# KiCad board R-PCBA-VPEG-PWR.kicad_pcb (continued)
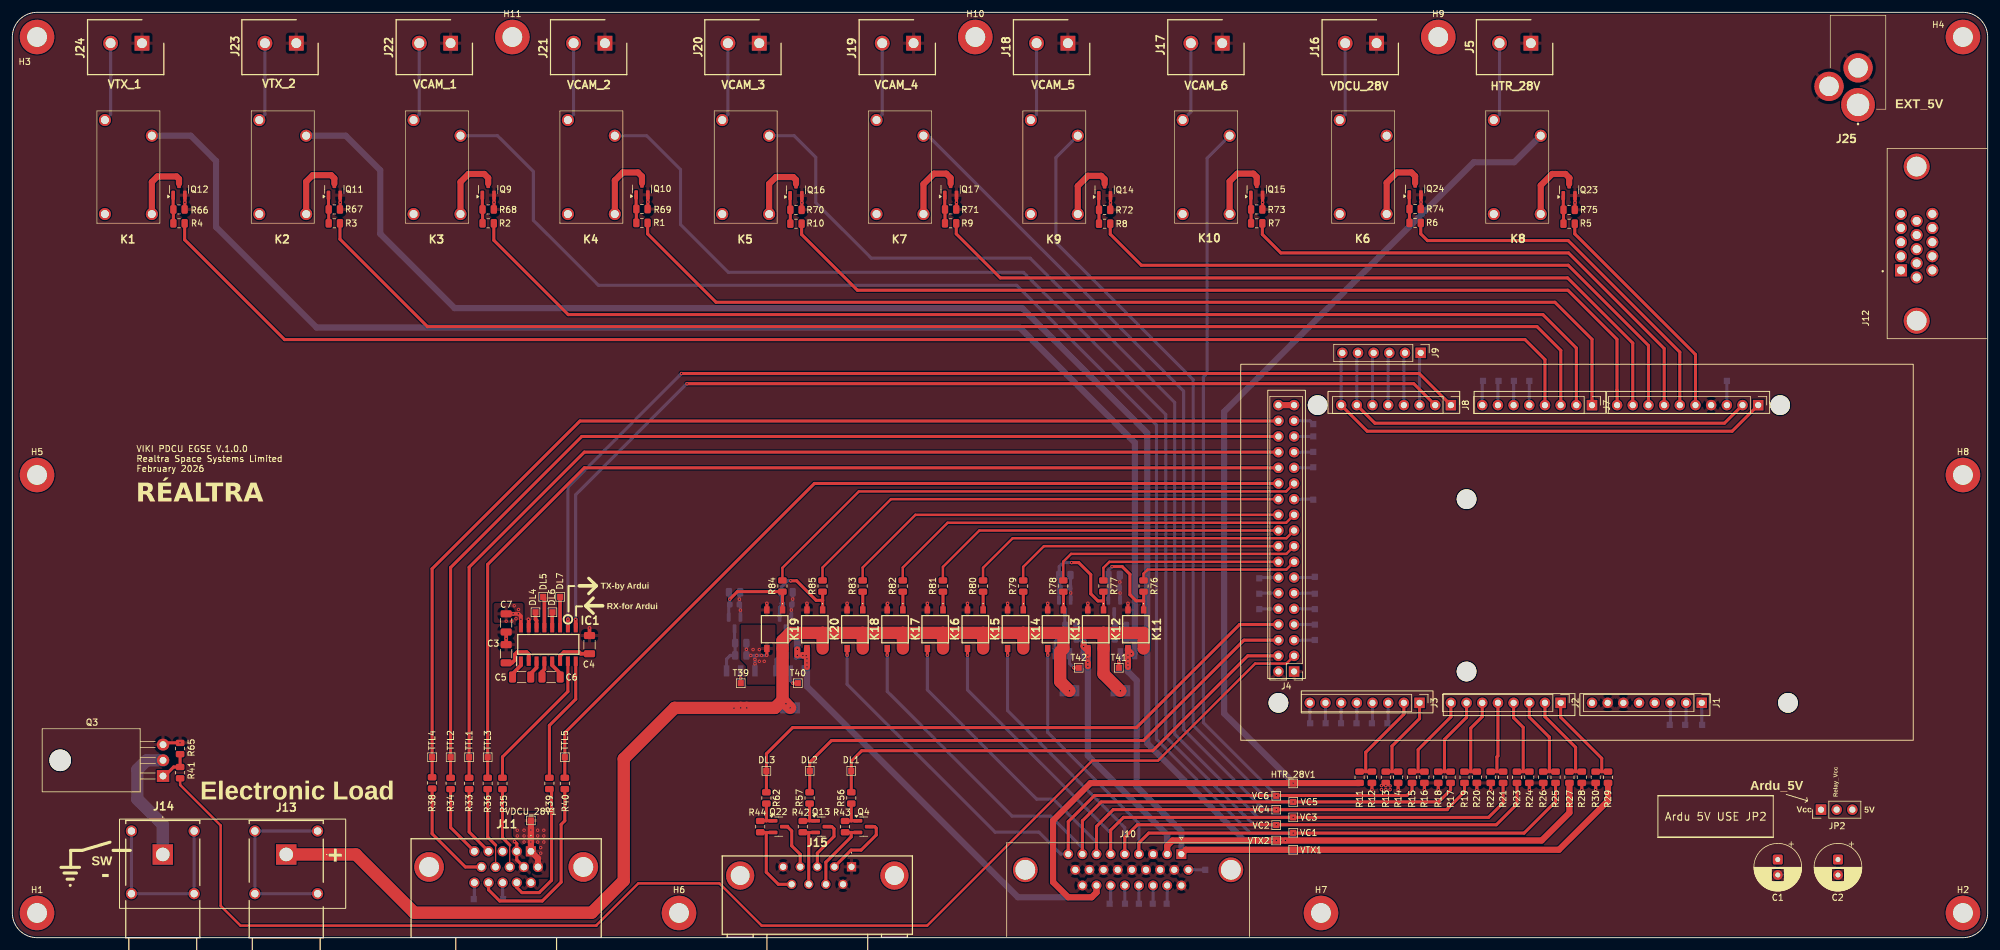
[diagram p0: board, top side]
## Library data of the parts (continued)
Q4 Q9-Q17 Q22-Q24 Q28 Q29 Q31 Q33 = -: Datasheet: https://www.infineon.com/dgdl/irlml2060pbf.pdf?fileId=5546d462533600a401535664b7fb25ee; Description: 1.2A Id, 60V Vds, 480mOhm Rds, N-Channel HEXFET Power MOSFET, SOT-23; Realtra Part Number: R-FET-0021-NCMF; Manufacturer Part Number: IRLML2060TRPBF; Manufacturer: Infineon Technologies; ki_fp_filters: SOT?23*
Q27 Q30 Q32 Q34 = -: Datasheet: https://www.diodes.com//assets/Datasheets/DMP6185SEQ.pdf; Description: MOSFET MOSFET BVDSS: 41V-60V; Height: 1.8; Manufacturer: Diodes Incorporated; Mouser Part Number: 621-DMP6185SEQ-13; Mouser Price/Stock: https://www.mouser.co.uk/ProductDetail/Diodes-Incorporated/DMP6185SEQ-13?qs=1mbolxNpo8d8sfdg%252B%252BvRHQ%3D%3D; Arrow Price/Stock: https://www.arrow.com/en/products/dmp6185seq-13/diodes-incorporated?utm_currency=USD&region=nac; Realtra Part Number: R-FET-0023-PCMF
R1-R10 = -: Description: 100 Ohms ±1% 0.5W, 1/2W Chip Resistor 0805 (2012 Metric) Automotive AEC-Q200, Pulse Withstanding Thick Film; Realtra Part Number: R-RES-0388-100R; Manufacturer: VISHAY; Manufacturer Part Number: CRCW0805100RFKEAHP; ki_fp_filters: R_*
R11 R13 R15 R17 R19 R21 R23 R25 R27 R29 R42-R44 = -: Datasheet: https://www.mouser.ie/datasheet/3/508/1/PYU_AT_51_ROHS_L.pdf; Description: Resistor; Realtra Part Number: R-RES-0124-100K; Manufacturer: YAGEO; Manufacturer Part Number: AT0805FRE07100KL; ki_fp_filters: R_*
R12 R14 R16 R18 R20 R22 R24 R26 R28 R30 = -: Datasheet: https://www.vishay.com/docs/20035/dcrcwe3.pdf; Description: 22 kOhms ±1% 0.25W, 1/4W Chip Resistor 0805 (2012 Metric) Automotive AEC-Q200 Thick Film; Realtra Part Number: R-RES-0520-22KR; Manufacturer Part Number: CRCW080522K0FKEA; Manufacturer: Vishay Dale; ki_fp_filters: R_*
R33-R36 R38-R41 R56 R57 R62 = -: Datasheet: https://www.vishay.com/docs/20043/crcwhpe3.pdf; Description: 100 Ohms ±1% 0.5W, 1/2W Chip Resistor 0805 (2012 Metric) Automotive AEC-Q200, Pulse Withstanding Thick Film; Realtra Part Number: R-RES-0388-100R; Manufacturer: VISHAY; Manufacturer Part Number: CRCW0805100RFKEAHP; ki_fp_filters: R_*
R65-R75 R109 R110 R113 R114 R116 R117 R119 R120 = -: Datasheet: https://yageogroup.com/content/datasheet/asset/file/PYU-RC_GROUP_51_ROHS_L; Description: 10 kOhms ±1% 0.125W, 1/8W Chip Resistor 0805 (2012 Metric) Moisture Resistant Thick Film; Realtra Part Number: R-RES-0122-10K; Manufacturer Part Number: RC0805FR-0710KL; Manufacturer: Yageo; ki_fp_filters: R_*
R76-R85 = -: Datasheet: https://yageogroup.com/content/datasheet/asset/file/PYU-RC_GROUP_51_ROHS_L; Description: 750 Ohms ±1% 0.125W, 1/8W Chip Resistor 0805 (2012 Metric) Moisture Resistant Thick Film; Realtra Part Number: R-RES-0518-750R; Manufacturer Part Number: RC0805FR-07750RL; Manufacturer: YAGEO; ki_fp_filters: R_*
R111 R112 R115 R118 = -: Datasheet: https://industrial.panasonic.com/cdbs/www-data/pdf/RDO0000/AOA0000C331.pdf; Description: 2 kOhms ±1% 0.5W, 1/2W Chip Resistor 0805 (2012 Metric) Automotive AEC-Q200, Pulse Withstanding Thick Film; Realtra Part Number: R-RES-0519-2KR; Manufacturer: Panasonic Electronic Components; Manufacturer Part Number: ERJ-P06F2001V; ki_fp_filters: R_*

## Footprints (pads in the part's own frame, mm; a bottom-side part is the same pattern mirrored in y, then rotated)
AMPHENOL_10090926-P154XLF
  rect 1.95x1.95 hole 1.3: 1(-4.33,2.54)
  round 1.95 hole 1.3: 2(-2.04,2.54) 3(0.25,2.54) 4(2.54,2.54) 5(4.83,2.54) 6(-5.47,0) 7(-3.18,0) 8(-0.89,0) 9(1.4,0) 10(3.69,0) 11(-4.33,-2.54) 12(-2.04,-2.54) 13(0.25,-2.54) 14(2.54,-2.54) 15(4.83,-2.54)
  round 4.216 hole 3.2: S1(-12.49,0) S2(12.5,0)
C_0603_1608Metric
  rrect 0.9x0.95 smd: 1(-0.775,0) 2(0.775,0)
C_1206_3216Metric
  rrect 1.15x1.8 smd: 1(-1.475,0) 2(1.475,0)
CP_Radial_D7.5mm_P2.50mm
  rrect 1.6x1.6 hole 0.8: 1(0,0)
  round 1.6 hole 0.8: 2(2.5,0)
DE09SL24
  rect 1.5x1.5 hole 1: 1(0,0)
  round 1.5 hole 1: 2(-2.77,0) 3(-5.54,0) 4(-8.31,0) 5(-11.08,0) 6(-1.385,-2.84) 7(-4.155,-2.84) 8(-6.925,-2.84) 9(-9.695,-2.84)
  round 4.575 hole 3.05: 10(6.955,-1.42) 11(-18.035,-1.42)
DSUB-26-HD_Socket_Horizontal_P2.29x2.54mm_EdgePinOffset8.35mm_Housed_MountingHolesOffset10.89mm
  round 4 hole 3.2: 0(-25.275,-2.54) 0(8.025,-2.54)
  rect 1.6x1.6 hole 1: 1(0,0)
  round 1.6 hole 1: 2(-2.29,0) 3(-4.58,0) 4(-6.87,0) 5(-9.16,0) 6(-11.45,0) 7(-13.74,0) 8(-16.03,0) 9(-18.32,0) 10(1.145,-2.54) 11(-1.145,-2.54) 12(-3.435,-2.54) 13(-5.725,-2.54) 14(-8.015,-2.54) 15(-10.305,-2.54) 16(-12.595,-2.54) 17(-14.885,-2.54) 18(-17.175,-2.54) 19(0,-5.08) 20(-2.29,-5.08) 21(-4.58,-5.08) 22(-6.87,-5.08) 23(-9.16,-5.08) 24(-11.45,-5.08) 25(-13.74,-5.08) 26(-16.03,-5.08)
FCR7350B
  rect 3.3x3.3 hole 2.2: 1(0,0)
  round 1.8 hole 1.2: 2(-6.36,5.08) 3(-6.36,-5.08) 4(3.8,-5.08) 5(3.8,5.08)
FCR7350R
  rect 3.3x3.3 hole 2.2: 1(0,0)
  round 1.8 hole 1.2: 2(-6.36,-5.08) 3(3.8,-5.08) 4(3.8,5.08) 5(-6.36,5.08)
KLDX0202ALT
  round 5.46 hole 3.64: 1(0,0)
  round 4.743 hole 3.162: 2(-6,0) 3(-3,-4.7)
L17HTHES4R1C
  rect 1.65x1.65 hole 1.1: 1(0,0)
  round 1.65 hole 1.1: 2(-2.29,0) 3(-4.58,0) 4(-6.87,0) 5(-9.16,0) 6(1.145,-2.54) 7(-1.145,-2.54) 8(-3.435,-2.54) 9(-5.725,-2.54) 10(-8.015,-2.54) 11(0,-5.08) 12(-2.29,-5.08) 13(-4.58,-5.08) 14(-6.87,-5.08) 15(-9.16,-5.08)
  round 4.8 hole 3.2: MH1(8.487,-2.54) MH2(-16.502,-2.54)
MountingHole_3.2mm
  round 3.2 hole 3.2 unplated: (0,0)
MountingHole_3.2mm_M3_DIN965_Pad
  round 5.6 hole 3.2: 1(0,0)
OJESH105LMH000
  round 1.95 hole 1.3: 1(0,0) 2(0,-7.6) 3(12.7,-7.6) 4(15.24,0)
PinHeader_1x03_P2.54mm_Vertical
  rect 1.7x1.7 hole 1: 1(0,0)
  round 1.7 hole 1: 2(0,-2.54) 3(0,-5.08)
PinHeader_1x06_P2.54mm_Vertical
  rect 1.7x1.7 hole 1: 1(0,0)
  round 1.7 hole 1: 2(0,-2.54) 3(0,-5.08) 4(0,-7.62) 5(0,-10.16) 6(0,-12.7)
PinHeader_1x08_P2.54mm_Vertical
  rect 1.7x1.7 hole 1: 1(0,0)
  round 1.7 hole 1: 2(0,-2.54) 3(0,-5.08) 4(0,-7.62) 5(0,-10.16) 6(0,-12.7) 7(0,-15.24) 8(0,-17.78)
PinHeader_1x10_P2.54mm_Vertical
  rect 1.7x1.7 hole 1: 1(0,0)
  round 1.7 hole 1: 2(0,-2.54) 3(0,-5.08) 4(0,-7.62) 5(0,-10.16) 6(0,-12.7) 7(0,-15.24) 8(0,-17.78) 9(0,-20.32) 10(0,-22.86)
PinHeader_2x18_P2.54mm_Vertical
  rect 1.7x1.7 hole 1: 1(0,0)
  round 1.7 hole 1: 2(2.54,0) 3(0,-2.54) 4(2.54,-2.54) 5(0,-5.08) 6(2.54,-5.08) 7(0,-7.62) 8(2.54,-7.62) 9(0,-10.16) 10(2.54,-10.16) 11(0,-12.7) 12(2.54,-12.7) 13(0,-15.24) 14(2.54,-15.24) 15(0,-17.78) 16(2.54,-17.78) 17(0,-20.32) 18(2.54,-20.32) 19(0,-22.86) 20(2.54,-22.86) 21(0,-25.4) 22(2.54,-25.4) 23(0,-27.94) 24(2.54,-27.94) 25(0,-30.48) 26(2.54,-30.48) 27(0,-33.02) 28(2.54,-33.02) 29(0,-35.56) 30(2.54,-35.56) 31(0,-38.1) 32(2.54,-38.1) 33(0,-40.64) 34(2.54,-40.64) 35(0,-43.18) 36(2.54,-43.18)
R_0805_2012Metric
  rrect 1.025x1.4 smd: 1(-0.912,0) 2(0.912,0)
SHDR2W100P0X508_1X2_1216X860X1230P
  rect 2.4x2.4 hole 1.6: 1(0,0)
  round 2.4 hole 1.6: 2(5.08,0)
SOIC127P600X175-16N
  rect 1.525x0.65 smd: 1(-2.712,4.445) 2(-2.712,3.175) 3(-2.712,1.905) 4(-2.712,0.635) 5(-2.712,-0.635) 6(-2.712,-1.905) 7(-2.712,-3.175) 8(-2.712,-4.445) 9(2.712,-4.445) 10(2.712,-3.175) 11(2.712,-1.905) 12(2.712,-0.635) 13(2.712,0.635) 14(2.712,1.905) 15(2.712,3.175) 16(2.712,4.445)
SOT230P700X180-4N
  rect 1.8x0.9 smd: 1(-3,2.3) 2(-3,0) 3(-3,-2.3)
  rect 1.8x3.2 smd: 4(3,0)
SOT-23
  rrect 1.475x0.6 smd: 1(-0.938,0.95) 2(-0.938,-0.95) 3(0.938,0)
TestPoint_Pad_1.0x1.0mm
  rect 1x1 smd: 1(0,0)
TO-220-3_Horizontal_TabDown
  round 3.5 hole 3.5 unplated: (2.54,16.66)
  rect 1.905x2 hole 1.1: 1(0,0)
  oval 1.905x2 hole 1.1: 2(2.54,0) 3(5.08,0)
VOR1003M4T
  rect 1.15x0.9 smd: 1(-3.125,1.27) 2(-3.125,-1.27) 3(3.125,-1.27) 4(3.125,1.27)

## Nets
+3V3: J1.4
GND: C1.2 C2.2 C3.2 C4.2 C7.2 C34.2 C35.2 C36.2 C37.2 IC1.15 J1.6 J1.7 J4.1 J4.2 J5.1 J6.4 J10.3 J10.11 J10.12 J10.13 J10.14 J10.15 J10.16 J10.17 J10.18 J10.19 J10.26 J11.2 J11.3 J11.7 J11.11 J15.1 J15.5 J15.6 J16.1 J17.1 J18.1 J19.1 J20.1 J21.1 J22.1 J23.1 J24.1 J25.2 J25.3 K11.2 K12.2 K13.2 K14.2 K15.2 K16.2 K17.2 K18.2 K19.2 K20.2 Q3.3 Q9.2 Q10.2 Q11.2 Q12.2 Q14.2 Q15.2 Q16.2 Q17.2 Q23.2 Q24.2 Q28.2 Q29.2 Q31.2 Q33.2 R12.2 R14.2 R16.2 R18.2 R20.2 R22.2 R24.2 R26.2 R28.2 R30.2 R65.2 R66.2 R67.2 R68.2 R69.2 R70.2 R71.2 R72.2 R73.2 R74.2 R75.2 R111.2 R112.2 R115.2 R118.2
VCC: J1.8
/Project Architecture/Section A - Connectors/EXT_5V: J25.1 JP2.3
/Project Architecture/Section B - Arduino Mega/24: J4.31 T32.1
/Project Architecture/Section B - Arduino Mega/26: J4.29 T31.1
/Project Architecture/Section B - Arduino Mega/28: J4.27 T30.1
/Project Architecture/Section B - Arduino Mega/32: J4.23 T29.1
/Project Architecture/Section B - Arduino Mega/42: J4.13 T28.1
/Project Architecture/Section B - Arduino Mega/48: J4.7 T25.1
/Project Architecture/Section B - Arduino Mega/50: J4.5 T24.1
/Project Architecture/Section B - Arduino Mega/*4: J7.4 R4.1
/Project Architecture/Section B - Arduino Mega/*5: J7.3 R3.1
/Project Architecture/Section B - Arduino Mega/*6: J7.2 R2.1
/Project Architecture/Section B - Arduino Mega/*7: J7.1 R1.1
/Project Architecture/Section B - Arduino Mega/*8: J6.10 R10.1
/Project Architecture/Section B - Arduino Mega/*9: J6.9 R9.1
/Project Architecture/Section B - Arduino Mega/*10: J6.8 R8.1
/Project Architecture/Section B - Arduino Mega/*11: J6.7 R7.1
/Project Architecture/Section B - Arduino Mega/*12: J6.6 R6.1
/Project Architecture/Section B - Arduino Mega/*13: J6.5 R5.1
/Project Architecture/Section B - Arduino Mega/*44: J4.11 T27.1
/Project Architecture/Section B - Arduino Mega/*46: J4.9 T26.1
/Project Architecture/Section B - Arduino Mega/A10: J3.3 T18.1
/Project Architecture/Section B - Arduino Mega/A11: J3.4 T19.1
/Project Architecture/Section B - Arduino Mega/A12: J3.5 T20.1
/Project Architecture/Section B - Arduino Mega/A13: J3.6 T21.1
/Project Architecture/Section B - Arduino Mega/A14: J3.7 T22.1
/Project Architecture/Section B - Arduino Mega/A15: J3.8 T23.1
/Project Architecture/Section B - Arduino Mega/AREF: J6.3 T38.1
/Project Architecture/Section B - Arduino Mega/IOREF: J1.2 T16.1
/Project Architecture/Section B - Arduino Mega/RESET: J1.3 T17.1
/Project Architecture/Section B - Arduino Mega/RX0/0: J7.8 T36.1
/Project Architecture/Section B - Arduino Mega/RX1/19: J8.6 J9.4
/Project Architecture/Section B - Arduino Mega/RX2/17: J8.4 J9.2
/Project Architecture/Section B - Arduino Mega/SCL/21: J6.1 J8.8 J9.6
/Project Architecture/Section B - Arduino Mega/SDA/20: J6.2 J8.7 J9.5
/Project Architecture/Section B - Arduino Mega/TX0/1: J7.7 T37.1
/Project Architecture/Section B - Arduino Mega/TX1/18: J8.5 J9.3
/Project Architecture/Section B - Arduino Mega/TX2/16: J8.3 J9.1
/Project Architecture/Section C - LCL Selector/K1_No: J24.2 K1.4
/Project Architecture/Section C - LCL Selector/K2_No: J23.2 K2.4
/Project Architecture/Section C - LCL Selector/K3_No: J22.2 K3.4
/Project Architecture/Section C - LCL Selector/K4_No: J21.2 K4.4
/Project Architecture/Section C - LCL Selector/K5_No: J20.2 K5.4
/Project Architecture/Section C - LCL Selector/K6_No: J16.2 K6.4
/Project Architecture/Section C - LCL Selector/K7_No: J19.2 K7.4
/Project Architecture/Section C - LCL Selector/K8_No: J5.2 K8.4
/Project Architecture/Section C - LCL Selector/K9_No: J18.2 K9.4
/Project Architecture/Section C - LCL Selector/K10_No: J17.2 K10.4
/Project Architecture/Section C - LCL Selector/K11_1: C36.1 K11.1 Q31.1 R76.1 R115.1
/Project Architecture/Section C - LCL Selector/K12_1: C37.1 K12.1 Q33.1 R77.1 R118.1
/Project Architecture/Section C - LCL Selector/K19_1: C34.1 K19.1 Q28.1 R84.1 R111.1
/Project Architecture/Section C - LCL Selector/K20_1: C35.1 K20.1 Q29.1 R85.1 R112.1
A0: J2.1 R29.1 R30.1
A1: J2.2 R27.1 R28.1
A2: J2.3 R25.1 R26.1
A3: J2.4 R23.1 R24.1
A4: J2.5 R21.1 R22.1
A5: J2.6 R19.1 R20.1
A6: J2.7 R17.1 R18.1
A7: J2.8 R15.1 R16.1
A8: J3.1 R13.1 R14.1
A9: J3.2 R11.1 R12.1
Ardu_5V: C7.1 IC1.16 J1.5 J4.35 J4.36 JP2.1
ARDU_UART_RX: IC1.9 J8.2
ARDU_UART_TX: IC1.10 J8.1
C_K1: K1.2 Q12.3
C_K2: K2.2 Q11.3
C_K3: K3.2 Q9.3
C_K4: K4.2 Q10.3
C_K5: K5.2 Q16.3
C_K6: K7.2 Q17.3
C_K7: K9.2 Q14.3
C_K8: K10.2 Q15.3
C_K9: K6.2 Q24.3
C_K10: K8.2 Q23.3
DL1: DL1.1 J4.4 R56.2
DL2: DL2.1 J4.6 R57.2
DL3: DL3.1 J4.8 R62.1
DL_1_IN: J15.2 Q4.3
DL_1_OUT: J15.7 Q4.2 R43.2
DL_2_IN: J15.3 Q13.3
DL_2_OUT: J15.8 Q13.2 R42.2
DL_3_IN: J15.4 Q22.3
DL_3_OUT: J15.9 Q22.2 R44.2
EL: J4.3 R41.1
HTR_28V: HTR_28V1.1 J10.25 K8.3 K20.3 Q30.3 R11.2 R113.2 R114.2
K1: Q12.1 R4.2 R66.1
K2: Q11.1 R3.2 R67.1
K3: Q9.1 R2.2 R68.1
K4: Q10.1 R1.2 R69.1
K5: Q16.1 R10.2 R70.1
K6: Q17.1 R9.2 R71.1
K7: Q14.1 R8.2 R72.1
K8: Q15.1 R7.2 R73.1
K9: Q24.1 R6.2 R74.1
K10: Q23.1 R5.2 R75.1
K11: J4.15 R76.2
K12: J4.16 R77.2
K13: J4.17 R78.2
K14: J4.18 R79.2
K15: J4.19 R80.2
K16: J4.20 R81.2
K17: J4.21 R82.2
K18: J4.22 R83.2
K19: J4.25 R84.2
K20: J4.24 R85.2
Relay_VCC: C1.1 C2.1 JP2.2 K1.1 K2.1 K3.1 K4.1 K5.1 K6.1 K7.1 K8.1 K9.1 K10.1
RS232_RX_IN: IC1.8 R39.2
RS232_TX_OUT: IC1.7 R35.1
Selector Out: J13.1 K11.4 K12.4 K13.4 K14.4 K15.4 K16.4 K17.4 K18.4 K19.4 K20.4 Q27.4 Q30.4 Q32.4 Q34.4
TTL1: J4.30 R33.1 TTL1.1
TTL2: J4.32 R34.1 TTL2.1
TTL3: J4.28 R36.1 TTL3.1
TTL4: J4.34 R38.2 TTL4.1
TTL5: J4.26 R40.2 TTL5.1
VCAM_1_28V: J10.4 K3.3 K13.3 R25.2 VC1.1
VCAM_2_28V: J10.5 K4.3 K14.3 R23.2 VC2.1
VCAM_3_28V: J10.6 K5.3 K15.3 R21.2 VC3.1
VCAM_4_28V: J10.7 K7.3 K16.3 R19.2 VC4.1
VCAM_5_28V: J10.8 K9.3 K17.3 R17.2 VC5.1
VCAM_6_28V: J10.9 K10.3 K18.3 R15.2 VC6.1
VDCU_28V: J11.1 J11.6 K6.3 K19.3 Q27.3 R13.2 R109.2 R110.2 VDCU_28V1.1
VTX_1_28V: J10.1 K1.3 K11.3 Q32.3 R29.2 R116.2 R117.2 VTX1.1
VTX_2_28V: J10.2 K2.3 K12.3 Q34.3 R27.2 R119.2 R120.2 VTX2.1
Net-(IC1-C1+): C5.1 IC1.1
Net-(IC1-C1-): C5.2 IC1.3
Net-(IC1-C2+): C6.1 IC1.4
Net-(IC1-C2-): C6.2 IC1.5
Net-(IC1-DIN1): DL7.1 IC1.11
Net-(IC1-DOUT1): DL4.1 IC1.14
Net-(IC1-RIN1): DL5.1 IC1.13
Net-(IC1-ROUT1): DL6.1 IC1.12
Net-(IC1-VS+): C3.1 IC1.2
Net-(IC1-VS-): C4.1 IC1.6
Net-(J1-Pin_1): J1.1 T15.1
Net-(J4-Pin_10): J4.10 T33.1
Net-(J4-Pin_12): J4.12 T34.1
Net-(J4-Pin_14): J4.14 T35.1
Net-(J4-Pin_33): J4.33 T13.1
Net-(J7-Pin_5): J7.5 T11.1
Net-(J7-Pin_6): J7.6 T12.1
Net-(J10-Pin_10): J10.10 T6.1
Net-(J10-Pin_20): J10.20 T5.1
Net-(J10-Pin_21): J10.21 T4.1
Net-(J10-Pin_22): J10.22 T3.1
Net-(J10-Pin_23): J10.23 T2.1
Net-(J10-Pin_24): J10.24 T1.1
Net-(J11-Pad4): J11.4 R33.2
Net-(J11-Pad5): J11.5 R34.2
Net-(J11-Pad8): J11.8 R35.2
Net-(J11-Pad9): J11.9 R36.2
Net-(J11-Pad10): J11.10 R38.1
Net-(J11-Pad12): J11.12 R39.1
Net-(J11-Pad13): J11.13 T9.1
Net-(J11-Pad14): J11.14 R40.1
Net-(J11-Pad15): J11.15 T10.1
Net-(J13-Pad2): J13.2 J13.3 J13.4 J13.5
Net-(J14-Pad2): J14.2 J14.3 J14.4 J14.5
Net-(K13-A): K13.1 R78.1
Net-(K14-A): K14.1 R79.1
Net-(K15-A): K15.1 R80.1
Net-(K16-A): K16.1 R81.1
Net-(K17-A): K17.1 R82.1
Net-(K18-A): K18.1 R83.1
Net-(Q3-D): J14.1 Q3.2
Net-(Q3-G): Q3.1 R41.2 R65.1
Net-(Q4-G): Q4.1 R43.1 R56.1
Net-(Q13-G): Q13.1 R42.1 R57.1
Net-(Q22-G): Q22.1 R44.1 R62.2
Net-(Q27-D_1): Q27.2 T39.1
Net-(Q27-G): Q27.1 Q28.3 R109.1 R110.1
Net-(Q29-D): Q29.3 Q30.1 R113.1 R114.1
Net-(Q30-D_1): Q30.2 T40.1
Net-(Q31-D): Q31.3 Q32.1 R116.1 R117.1
Net-(Q32-D_1): Q32.2 T41.1
Net-(Q33-D): Q33.3 Q34.1 R119.1 R120.1
Net-(Q34-D_1): Q34.2 T42.1

Pads without a net: H1 1; H2 1; H3 1; H4 1; H5 1; H6 1; H7 1; H8 1; H9 1; H10 1; H11 1; J10 0; J11 MH1 MH2; J12 1 2 3 4 5 6 7 8 9 10 11 12 13 14 15 S1 S2; J15 10 11

## Via types
v1: diameter 0.55, hole 0.25, L1 (Sig, GND) to L4 (Sig, GND), 138 vias

## Routing (per net, layer and track width the routed paths; a pad name or vN(x,y) marks a point on that pad's centre or on a via; arc(x,y) is an arc through that point)
GND: length 74
  L1 (Sig, GND) w0.5: R70.2 127.9,118.03 v1(127.9,119.13) Q16.2 ; Q14.2 v1(177.9,119.12) 177.9,118.03 R72.2 ; R65.2 v1(27.16,31.59) 24.71,31.59 Q3.3 ; R66.2 27.95,118.09 Q12.2 ; K12.2 v1(174.23,54.2) ; J11.7 81.72,12.6 J11.2 81.72,15.23 v1(81.35,15.6) ; Q17.2 v1(152.95,119.2) 152.95,118.09 R71.2 ; K13.2 v1(167.73,54.2) ; Q9.2 v1(78.04,119.21) 78.04,118.09 R68.2 ; R67.2 53.11,118.09 v1(53.11,119.19) Q11.2 ; R26.2 v1(248,24) ; R12.2 v1(220.25,24) ; K16.2 v1(148.23,54.2) ; K15.2 v1(154.73,54.2) ; K19.2 v1(122.23,54.2) ; R20.2 v1(237.25,24) ; R18.2 v1(231,24) ; K14.2 v1(161.23,54.2) ; R75.2 253.15,118.03 v1(253.15,119.14) Q23.2 ; R69.2 102.95,118.15 v1(102.95,119.26) Q10.2 ; R14.2 v1(224.5,24) ; K18.2 v1(135.23,54.2) ; R73.2 202.54,118.09 v1(202.54,119.19) Q15.2 ; R30.2 v1(256.5,24) ; R24.2 v1(245.75,24) ; K11.2 v1(180.73,54.2) ; R74.2 228.2,118.15 v1(228.2,119.25) Q24.2 ; K17.2 141.73,54.13 v1(141.8,54.2) ; K20.2 v1(128.73,54.2) ; R16.2 v1(228.75,24) ; R28.2 v1(254.25,24) ; R22.2 v1(239.5,24)
  L1 (Sig, GND) w0.6: IC1.15 83.65,51.55 v1(83.6,51.6) ; C3.2 v1(80,48.5) C7.2 ; C4.2 v1(93.5,50.2)
  L4 (Sig, GND) w0.5: Q33.2 v1(171.45,55.88) 171.45,56.59 C37.2 171.41,56.91 R118.2 ; Q28.2 v1(117.95,53.1) 117.95,53.82 C34.2 v1(117.77,54.87) 117.77,55.86 R111.2 ; R112.2 v1(126.41,54.89) 126.41,54.14 C35.2 126.2,53.93 v1(126.2,53.11) Q29.2 ; R115.2 v1(179.41,57.64) 179.41,56.91 C36.2 179.45,56.59 v1(179.45,55.87) Q31.2
  vias: v1(27.95,119.2)
/Project Architecture/Section B - Arduino Mega/24: length 3.1
  L4 (Sig, GND) w0.5: J4.31 210.75,81.25 T32.1
/Project Architecture/Section B - Arduino Mega/26: length 3.1
  L4 (Sig, GND) w0.5: T31.1 210.7,78.71 J4.29
/Project Architecture/Section B - Arduino Mega/28: length 3.1
  L4 (Sig, GND) w0.5: 207.64,76.16 210.67,76.16 T30.1
/Project Architecture/Section B - Arduino Mega/32: length 3.1
  L4 (Sig, GND) w0.5: T29.1 210.67,71.09 J4.23
/Project Architecture/Section B - Arduino Mega/42: length 3.4
  L4 (Sig, GND) w0.5: T28.1 210.88,58.38 207.64,58.38
/Project Architecture/Section B - Arduino Mega/48: length 3.4
  L4 (Sig, GND) w0.5: T25.1 210.99,50.76 207.64,50.76
/Project Architecture/Section B - Arduino Mega/50: length 3.4
  L4 (Sig, GND) w0.5: T24.1 210.98,48.22 207.64,48.22
/Project Architecture/Section B - Arduino Mega/*4: length 238.5
  L1 (Sig, GND) w0.5: R4.1 27.91,113.14 44.1,96.95 245.05,96.95 248.29,93.72 J7.4
/Project Architecture/Section B - Arduino Mega/*5: length 216.7
  L1 (Sig, GND) w0.5: J7.3 250.85,86.35 250.85,95.2 247,99.05 67.25,99.05 53.07,113.22 R3.1
/Project Architecture/Section B - Arduino Mega/*6: length 194.6
  L1 (Sig, GND) w0.5: J7.2 253.37,95.59 247.95,101 90.05,101 78,113.05 R2.1
/Project Architecture/Section B - Arduino Mega/*7: length 172.5
  L1 (Sig, GND) w0.5: J7.1 255.9,97 249.9,103 114,103 102.91,114.09 R1.1
/Project Architecture/Section B - Arduino Mega/*8: length 151.6
  L1 (Sig, GND) w0.5: R10.1 127.86,113.99 136.9,104.95 252,104.95 259.95,97 259.95,88.75 259.97,88.73 J6.10
/Project Architecture/Section B - Arduino Mega/*9: length 128.7
  L1 (Sig, GND) w0.5: J6.9 262.51,96.39 251.95,106.95 160.05,106.95 152.91,114.09 R9.1
/Project Architecture/Section B - Arduino Mega/*10: length 106
  L1 (Sig, GND) w0.5: J6.8 265.05,86.33 265.05,96 252.05,109 182.9,109 177.86,114.04 R8.1
/Project Architecture/Section B - Arduino Mega/*11: length 83.7
  L1 (Sig, GND) w0.5: J6.7 267.6,86.34 267.6,95.5 252.1,111 205.5,111 202.5,114 R7.1
/Project Architecture/Section B - Arduino Mega/*12: length 60.3
  L1 (Sig, GND) w0.5: R6.1 228.16,114.09 229.25,113 252.05,113 270.13,94.92 J6.6
/Project Architecture/Section B - Arduino Mega/*13: length 37.5
  L1 (Sig, GND) w0.5: R5.1 253.11,114.09 272.67,94.53 J6.5
/Project Architecture/Section B - Arduino Mega/*44: length 3.4
  L4 (Sig, GND) w0.5: J4.11 210.9,55.84 T27.1
/Project Architecture/Section B - Arduino Mega/*46: length 3.4
  L4 (Sig, GND) w0.5: J4.9 210.94,53.31 T26.1
/Project Architecture/Section B - Arduino Mega/A10: length 3.4
  L4 (Sig, GND) w0.5: J3.3 222.88,34.88 T18.1
/Project Architecture/Section B - Arduino Mega/A11: length 3.4
  L4 (Sig, GND) w0.5: T19.1 220.35,34.84 J3.4
/Project Architecture/Section B - Arduino Mega/A12: length 3.3
  L4 (Sig, GND) w0.5: J3.5 217.81,34.81 T20.1
/Project Architecture/Section B - Arduino Mega/A13: length 3.3
  L4 (Sig, GND) w0.5: J3.6 215.26,34.76 T21.1
/Project Architecture/Section B - Arduino Mega/A14: length 3.3
  L4 (Sig, GND) w0.5: T22.1 212.73,34.78 J3.7
/Project Architecture/Section B - Arduino Mega/A15: length 3.3
  L4 (Sig, GND) w0.5: J3.8 210.19,34.81 T23.1
/Project Architecture/Section B - Arduino Mega/AREF: length 3.9
  L4 (Sig, GND) w0.5: T38.1 277.75,90.25 J6.3
/Project Architecture/Section B - Arduino Mega/IOREF: length 3.6
  L4 (Sig, GND) w0.5: J1.2 271.14,34.65 T16.1
/Project Architecture/Section B - Arduino Mega/RESET: length 3.6
  L4 (Sig, GND) w0.5: J1.3 268.61,34.6 T17.1
/Project Architecture/Section B - Arduino Mega/RX0/0: length 4
  L4 (Sig, GND) w0.5: T36.1 238.12,90.12 J7.8
/Project Architecture/Section B - Arduino Mega/RX1/19: length 8.6
  L4 (Sig, GND) w0.5: J8.6 220.35,94.62 J9.4
/Project Architecture/Section B - Arduino Mega/RX2/17: length 8.6
  L4 (Sig, GND) w0.5: J8.4 225.43,94.62 J9.2
/Project Architecture/Section B - Arduino Mega/SCL/21: length 79.6
  L1 (Sig, GND) w0.5: J6.1 278.6,82.1 219.49,82.1 J8.8
  L4 (Sig, GND) w0.5: J8.8 215.26,94.62 J9.6
/Project Architecture/Section B - Arduino Mega/SDA/20: length 73.5
  L1 (Sig, GND) w0.5: J8.7 220.73,83.4 277.36,83.4 J6.2
  L4 (Sig, GND) w0.5: J9.5 217.81,94.62 J8.7
/Project Architecture/Section B - Arduino Mega/TX0/1: length 4
  L4 (Sig, GND) w0.5: T37.1 240.67,90.16 J7.7
/Project Architecture/Section B - Arduino Mega/TX1/18: length 8.6
  L4 (Sig, GND) w0.5: J9.3 222.88,94.62 J8.5
/Project Architecture/Section B - Arduino Mega/TX2/16: length 8.6
  L4 (Sig, GND) w0.5: J9.1 227.96,94.62 227.96,86.32
/Project Architecture/Section C - LCL Selector/K1_No: length 12.8
  L4 (Sig, GND) w0.5: K1.4 15.92,133.46 J24.2
/Project Architecture/Section C - LCL Selector/K2_No: length 12.8
  L4 (Sig, GND) w0.5: J23.2 40.92,133.46 K2.4
/Project Architecture/Section C - LCL Selector/K3_No: length 12.8
  L4 (Sig, GND) w0.5: J22.2 65.92,133.46 K3.4
/Project Architecture/Section C - LCL Selector/K4_No: length 12.8
  L4 (Sig, GND) w0.5: K4.4 90.92,133.46 J21.2
/Project Architecture/Section C - LCL Selector/K5_No: length 12.8
  L4 (Sig, GND) w0.5: J20.2 115.92,133.46 K5.4
/Project Architecture/Section C - LCL Selector/K6_No: length 12.8
  L4 (Sig, GND) w0.5: J16.2 215.92,133.42 K6.4
/Project Architecture/Section C - LCL Selector/K7_No: length 12.8
  L4 (Sig, GND) w0.5: K7.4 140.92,133.46 J19.2
/Project Architecture/Section C - LCL Selector/K8_No: length 12.8
  L4 (Sig, GND) w0.5: J5.2 240.92,133.46 K8.4
/Project Architecture/Section C - LCL Selector/K9_No: length 12.8
  L4 (Sig, GND) w0.5: J18.2 165.92,133.46 K9.4
/Project Architecture/Section C - LCL Selector/K10_No: length 13
  L4 (Sig, GND) w0.5: J17.2 190.92,133.86 K10.4
/Project Architecture/Section C - LCL Selector/K11_1: length 18.1
  L1 (Sig, GND) w0.5: 183.27,54.61 182.04,54.61 181.05,55.6 181.05,58.9 179.8,60.15 v1(178.15,60.15) ; 183.27,54.61 K11.1 ; 183.27,54.61 183.27,56.07 R76.1
  L4 (Sig, GND) w0.5: v1(178.15,60.15) 177.59,59.59 R115.1 177.59,56.91 C36.1 177.55,56.59 Q31.1
/Project Architecture/Section C - LCL Selector/K12_1: length 20.4
  L1 (Sig, GND) w0.5: v1(171.6,60.8) 172.75,60.8 174.7,58.85 174.7,55.75 175.86,54.59 176.67,54.59 176.77,54.69 ; R77.1 176.77,56.07 176.77,54.69 ; 176.77,54.69 K12.1
  L4 (Sig, GND) w0.5: v1(171.6,60.8) 170.25,60.8 169.59,60.14 R118.1 169.59,56.91 C37.1 169.55,56.59 Q33.1
/Project Architecture/Section C - LCL Selector/K19_1: length 16.2
  L1 (Sig, GND) w0.5: v1(116.23,54.87) 117.44,56.09 R84.1 124.77,56.07 K19.1
  L4 (Sig, GND) w0.5: R111.1 116.23,55.86 v1(116.23,54.87) C34.1 116.05,53.82 Q28.1
/Project Architecture/Section C - LCL Selector/K20_1: length 16.5
  L1 (Sig, GND) w0.5: K20.1 131.27,54.68 ; 131.27,54.68 130.22,54.68 127.05,57.85 v1(126.1,57.85) ; 131.27,54.68 131.27,56.07 R85.1
  L4 (Sig, GND) w0.5: v1(126.1,57.85) 125.6,57.85 124.59,56.84 R112.1 124.59,54.14 C35.1 124.3,53.57 Q29.1
A0: length 15.9
  L1 (Sig, GND) w0.5: 257.48,26.91 257.48,29.07 250.82,35.72 J2.1 ; 257.48,26.91 R29.1 ; 257.48,26.91 R30.1
A1: length 15.2
  L1 (Sig, GND) w0.5: 253.25,26.91 R28.1 ; 253.25,26.91 253.25,30.85 248.29,35.81 J2.2 ; 253.25,26.91 R27.1
A2: length 14.5
  L1 (Sig, GND) w0.5: J2.3 245.75,35.75 249,32.5 249,26.91 ; R26.1 249,26.91 ; 249,26.91 R25.1
A3: length 13.8
  L1 (Sig, GND) w0.5: R23.1 244.76,26.91 ; 244.76,26.91 244.76,34.09 243.2,35.65 J2.4 ; 244.76,26.91 R24.1
A4: length 13.2
  L1 (Sig, GND) w0.5: J2.5 240.67,29.47 240.5,29.3 240.5,26.92 240.49,26.91 ; 240.49,26.91 R21.1 ; 240.49,26.91 R22.1
A5: length 13.9
  L1 (Sig, GND) w0.5: 236.26,26.91 R20.1 ; 236.26,26.91 R19.1 ; 236.26,26.91 236.26,33.96 238.12,35.82 J2.6
A6: length 14.6
  L1 (Sig, GND) w0.5: 232,26.91 R17.1 ; 232,26.91 232,32.12 235.58,35.71 J2.7 ; 232,26.91 R18.1
A7: length 15.3
  L1 (Sig, GND) w0.5: J2.8 233.05,35.78 227.74,30.48 227.74,26.91 ; R15.1 227.74,26.91 ; 227.74,26.91 R16.1
A8: length 15
  L1 (Sig, GND) w0.5: 223.5,26.91 223.5,31.05 227.96,35.51 J3.1 ; 223.5,26.91 R13.1 ; 223.5,26.91 R14.1
A9: length 15.7
  L1 (Sig, GND) w0.5: 219.25,26.91 219.25,30.05 225.43,36.22 J3.2 ; 219.25,26.91 R12.1 ; 219.25,26.91 R11.1
Ardu_5V: length 7.1
  L1 (Sig, GND) w0.6: 293.22,20.75 293.26,20.71 ; IC1.16 v1(82.38,51.61) 82.38,52.12 82,52.5 v1(81.98,52.5) v1(81.13,52.5) C7.1
  L1 (Sig, GND) w1: 293.27,20.8 293.22,20.75 ; 207.64,86.32 205.11,86.32
  vias: v1(80,51.3) v1(80.9,51.3) v1(81.3,53.8) v1(81.6,51.7) v1(82,53.2)
ARDU_UART_RX: length 169.7
  L1 (Sig, GND) w0.5: J8.2 227.03,89.8 v1(109.3,89.8)
  L1 (Sig, GND) w0.6: IC1.9 v1(91.27,51.58)
  L4 (Sig, GND) w0.5: 91.25,51.6 91.25,71.8 109.25,89.8 v1(109.3,89.8)
  L4 (Sig, GND) w0.6: v1(91.27,51.58) 91.25,51.6
ARDU_UART_TX: length 177
  L1 (Sig, GND) w0.5: 223.4,91.45 227.92,91.45 J8.1 ; v1(108.4,91.45) 224.8,91.45
  L1 (Sig, GND) w0.6: IC1.10 v1(90,51.62)
  L4 (Sig, GND) w0.5: 90,51.65 90,73.05 v1(108.4,91.45)
C_K1: length 10.9
  L1 (Sig, GND) w1: K1.2 22.6,122.5 23.5,123.4 26.6,123.4 27,123 Q12.3
C_K2: length 11.3
  L1 (Sig, GND) w1: Q11.3 52.16,123.09 51.65,123.6 48.65,123.6 47.6,122.55 K2.2
C_K3: length 11.4
  L1 (Sig, GND) w1: Q9.3 77.09,123.16 76.45,123.8 73.9,123.8 72.6,122.5 K3.2
C_K4: length 11.8
  L1 (Sig, GND) w1: K4.2 97.6,122.75 98.9,124.05 101.35,124.05 102,123.4 Q10.3
C_K5: length 10.6
  L1 (Sig, GND) w1: K5.2 122.6,122.2 123.7,123.3 126.5,123.3 126.95,122.85 Q16.3
C_K6: length 11.2
  L1 (Sig, GND) w1: K7.2 147.6,122.15 149.3,123.85 151.3,123.85 152,123.15 Q17.3
C_K7: length 10.6
  L1 (Sig, GND) w1: Q14.3 176.95,122.95 176.4,123.5 174.25,123.5 172.6,121.85 K9.2
C_K8: length 11.5
  L1 (Sig, GND) w1: Q15.3 201.59,123.31 201.05,123.85 198.45,123.85 197.2,122.6 K10.2
C_K9: length 11.8
  L1 (Sig, GND) w1: Q24.3 227.25,123.45 226.65,124.05 224.3,124.05 222.64,122.39 K6.2
C_K10: length 11.3
  L1 (Sig, GND) w1: K8.2 247.6,121.95 249.45,123.8 251.6,123.8 252.25,123.15 252.2,123.1 Q23.3
DL1: length 81.3
  L1 (Sig, GND) w0.5: J4.4 200.13,45.69 184.75,30.3 137.6,30.3 135.9,28.6 DL1.1 R56.2
DL2: length 89
  L1 (Sig, GND) w0.5: R57.2 129.18,23.59 DL2.1 129.18,28.43 132.7,31.95 183.25,31.95 199.52,48.22 205.11,48.22
DL3: length 97.9
  L1 (Sig, GND) w0.5: R62.1 DL3.1 122.15,29.81 126.4,34.05 182.1,34.05 198.81,50.76 205.11,50.76
DL_1_IN: length 11.2
  L1 (Sig, GND) w0.5: Q4.3 139.7,18 139.95,17.75 139.95,16.65 137.5,14.2 135.88,14.2 J15.2
DL_1_OUT: length 12.2
  L1 (Sig, GND) w0.5: J15.7 131.79,12.24 135.89,16.34 135.89,17.05 ; 135.89,17.05 134.94,17.05 R43.2 ; 135.89,17.05 Q4.2
DL_2_IN: length 8.5
  L1 (Sig, GND) w0.5: J15.3 130.4,13.7 133.11,16.4 133.11,17.65 132.75,18 Q13.3
DL_2_OUT: length 10.5
  L1 (Sig, GND) w0.5: 129,17.05 129.02,17.03 J15.8 ; 129,17.05 Q13.2 ; 129,17.05 128.09,17.05 R42.2
DL_3_IN: length 7.8
  L1 (Sig, GND) w0.5: J15.4 127.63,13.51 126.25,14.9 126.25,17.3 125.56,18 Q22.3
DL_3_OUT: length 13.4
  L1 (Sig, GND) w0.5: R44.2 121.19,17.05 122.13,17.05 ; J15.9 124.1,8.65 122.13,10.62 122.13,17.05 ; Q22.2 122.13,17.05
EL: length 222.4
  L1 (Sig, GND) w0.4: J4.3 206.39,44.43 201.33,44.43 185.6,28.7 174.95,28.7 148.2,1.95 121.39,1.95 114.54,8.8 101.4,8.8 94.61,2.01 94.61,1.95 36.96,1.95 33.75,5.16 33.75,18.18 27.18,24.75 R41.1
HTR_28V: length 283
  L1 (Sig, GND) w0.5: R11.2 218.21,25.05
  L1 (Sig, GND) w1: K20.3 128.73,45.8 ; 128.73,45.8 128.12,45.8 ; 128.73,45.8 v1(128.73,43.89) ; v1(127.16,45.75) v1(127.16,46.73) ; J10.25 175.63,7.34 174.85,6.55 171.05,6.55 168.6,9 168.6,19 174.65,25.05 v1(207.49,25.05) 218.21,25.05 ; 128.12,45.8 v1(128.07,45.75) ; 128.12,45.8 128.09,45.8
  L4 (Sig, GND) w0.5: 207.49,25.16 v1(207.49,25.05) ; 128.73,43.24 128.72,43.25 Q30.3
  L4 (Sig, GND) w1: 207.49,25.16 196.3,36.35 196.3,85.25 236.75,125.7 243.3,125.7 K8.3 ; J10.25 175.63,7.34 174.85,6.55 162.9,6.55 128.73,40.72 v1(128.73,43.89) v1(128.73,44.53) v1(128.73,45.2) 128.73,45.57 v1(128.6,45.7) ; v1(127.16,46.73) R114.2 ; v1(128.07,45.75) 128.68,45.75 v1(127.16,45.75) v1(128.07,45.75)
K1: length 4.6
  L1 (Sig, GND) w0.5: Q12.1 26.05,118.09 R66.1 R4.2
K2: length 4.6
  L1 (Sig, GND) w0.5: Q11.1 51.21,118.09 R67.1 R3.2
